# Allegro board MinnowMax_RevA1.brd (continued)
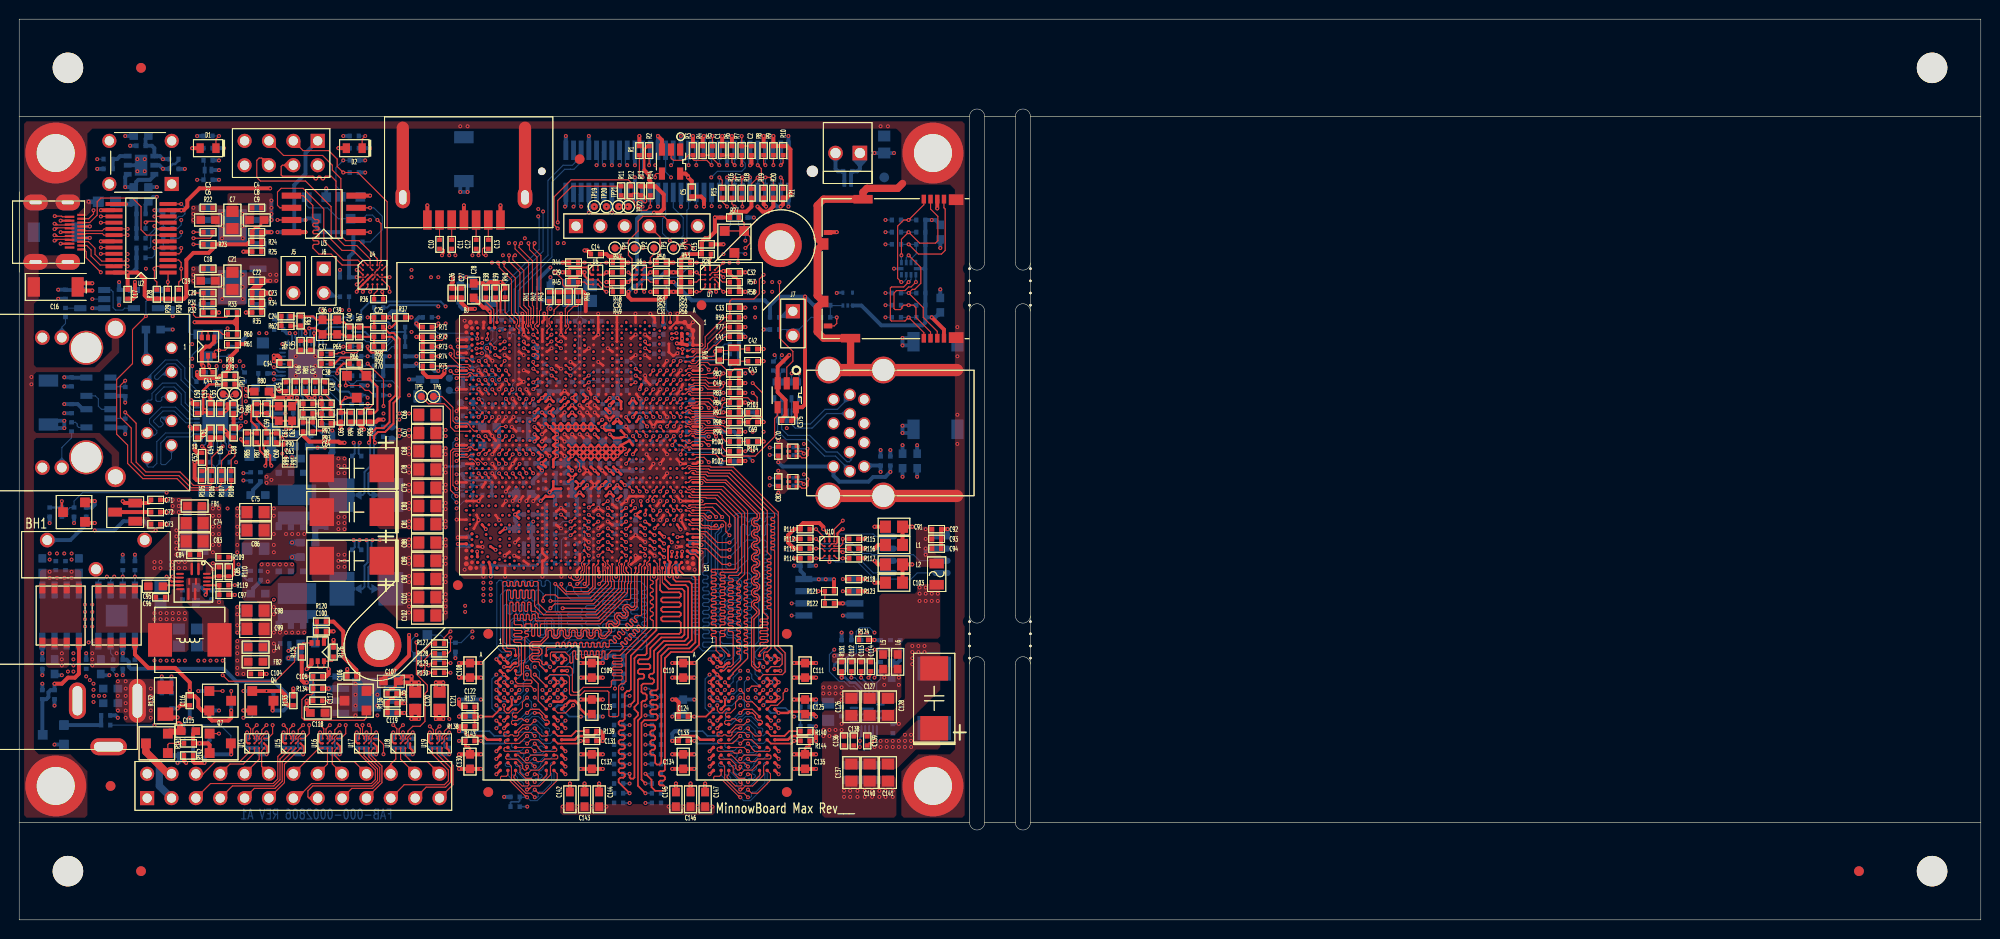
[diagram p0: board, top side]
## Routing (per net, layer and track width the routed paths; a pad name or vN(x,y) marks a point on that pad's centre or on a via; arc(x,y) is an arc through that point) (continued)
SOC_SPI_CS1B: length 4.9
  TOP w0.102: 71.75,52.32 70.55,52.32 70.39,52.17 70.07,52.17 69.8,52.45 CPU1.C21
  TOP w0.114: 71.75,52.32 72.39,52.32 72.77,51.94 v1(73.41,51.94)
  BOTTOM w0.114: R235.2 v1(73.41,51.94)
SOC_SPI_MISO: length 63.5
  TOP w0.102: CPU1.B22 70.5,51.96 70.61,52.07
  TOP w0.114: v1(37.85,65.53) 37.94,65.44 R36.2 ; 70.61,52.07 71.64,52.07 71.66,52.05 71.77,52.05 v1(71.88,51.94)
  INT3(V) w0.102: v1(71.88,51.94) 71.5,52.32 71.5,59.82 71.79,60.11 71.94,60.11 72.24,59.81 72.38,59.81 72.49,59.92 72.49,60.06 72.19,60.36 72.19,60.5 72.3,60.61 72.44,60.61 72.74,60.31 72.88,60.31 72.99,60.42 72.99,60.56 72.69,60.86 72.69,61.01 72.8,61.12 72.94,61.12 73.24,60.81 73.39,60.81 73.5,60.92 73.5,61.07 73.19,61.37 73.19,61.51 73.3,61.62 73.45,61.62 73.75,61.32 73.89,61.32 74,61.43 74,61.57 73.7,61.87 73.7,62.01 73.81,62.12 73.95,62.12 74.25,61.82 74.39,61.82 74.5,61.93 74.5,62.07 74.2,62.37 74.2,62.52 74.31,62.62 74.45,62.62 74.75,62.32 74.9,62.32 75,62.43 75,63.07 75.31,63.37 76.2,63.37 v1(76.71,63.88)
  INT4(H) w0.102: v1(76.71,63.88) 76.2,63.37 69.98,63.37 69.34,64.01 60.2,64.01 59.18,65.02 38.35,65.02 v1(37.85,65.53)
SOC_SPI_MISO-R: length 1.7
  TOP w0.114: U4.E4 37.33,65.65 36.99,65.31 R36.1
SOC_SPI_MOSI: length 6.1
  TOP w0.114: R103.2 75.47,52.45 72.77,52.45 72.64,52.58 70.48,52.58 70.35,52.45 CPU1.A21
SOC_SPI_MOSI-R: length 59.3
  TOP w0.114: v1(76.45,54.99) 76.93,54.52 R103.1 ; U4.E3 36.83,65.79 v1(36.58,65.53)
  INT3(V) w0.102: v1(77.6,65.53) 78.61,64.52 78.61,64.28 78.51,64.18 78.33,64.18 78.23,64.08 78.23,63.93 78.33,63.83 78.51,63.83 78.61,63.72 78.61,63.57 78.51,63.47 78.33,63.47 78.23,63.37 78.23,63.22 78.33,63.11 78.51,63.11 78.61,63.01 78.61,62.86 78.51,62.76 78.33,62.76 78.23,62.66 78.23,62.51 78.33,62.4 78.51,62.4 78.61,62.3 78.61,62.15 78.51,62.05 78.33,62.05 78.23,61.95 78.23,55.75 77.47,54.99 v1(76.45,54.99)
  INT4(H) w0.102: v1(36.58,65.53) 37.08,66.04 38.86,66.04 39.12,65.79 59.44,65.79 60.45,64.77 76.83,64.77 v1(77.6,65.53)
SOC_USB_HOST_EN0: length 30.6
  TOP w0.102: 71.75,56.52 71.67,56.61 70.07,56.61 69.8,56.33 CPU1.C13
  TOP w0.114: v1(72.64,56.64) 72.52,56.52 71.75,56.52 ; R115.2 v1(85.85,39.75) 85.85,39.24 85.59,38.98 U10.B3
  INT3(V) w0.102: v1(85.85,39.75) 84.45,41.15 80.52,41.15 74.17,47.5 74.17,55.88 73.66,56.39 72.9,56.39 v1(72.64,56.64)
SOC_USB_HOST_EN1: length 29.7
  TOP w0.102: CPU1.A13 71.56,56.33 71.75,56.13
  TOP w0.114: R117.2 v1(85.85,37.72) 85.22,37.72 U10.D3 ; 71.75,56.13 71.88,56.01 v1(72.64,56.01)
  INT3(V) w0.102: v1(85.85,37.72) 84.33,39.24 82.93,39.24 81.79,40.39 80.26,40.39 73.03,47.62 73.03,55.63 v1(72.64,56.01)
SOC_USB_HOST_OC0: length 30.1
  TOP w0.102: CPU1.C20 69.44,52.93 69.73,53.22 69.97,53.22 70.15,53.04 71.75,53.04
  TOP w0.114: v1(76.45,53.97) 75.95,54.48 74.17,54.48 74.07,54.39 R84.2 73.53,53.97 73.28,53.72 73.28,53.45 72.88,53.04 71.75,53.04 ; U10.A3 84.95,40.76 v1(85.85,41.66)
  INT3(V) w0.102: v1(76.45,53.97) 77.09,53.34 77.09,45.85 80.77,42.16 85.34,42.16 v1(85.85,41.66)
SOC_USB_HOST_OC1: length 26.8
  TOP w0.114: R97.2 v1(73.41,52.96) 73.26,52.81 69.97,52.81 CPU1.B20 ; v1(85.85,38.35) 85.72,38.49 84.95,38.49
  INT3(V) w0.102: v1(85.85,38.35) 83.95,40.26 82.68,40.26 82.17,40.77 80.39,40.77 73.79,47.37 73.79,52.58 v1(73.41,52.96)
SPI_CLK: length 17.3
  TOP w0.114: U3.6 27.18,74.3 26.92,74.55 26.92,75.95 27.3,76.33 29.59,76.33 31.75,74.17 31.75,70.87 33.78,68.83 35.31,68.83 U4.A1
SPI_CS0: length 17.3
  TOP w0.114: v1(35.18,66.29) 35.31,66.29 U4.D1 ; U3.1 v1(36.58,71.75)
  INT8(V) w0.102: v1(36.58,71.75) 36.96,72.14 36.96,74.42 37.08,74.55 37.59,74.55 37.72,74.42 37.72,66.67 37.34,66.29 v1(35.18,66.29)
  BOTTOM w0.114: v1(36.58,71.75) R163.2
SPI_HOLD: length 2.3
  TOP w0.114: v1(26.92,73.03) U3.7
  BOTTOM w0.114: R165.2 v1(26.92,73.03)
SPI_MISO: length 17.4
  TOP w0.114: v1(35.18,67.82) 35.32,67.82 U4.C1 ; U3.2 v1(36.58,73.03)
  INT8(V) w0.102: v1(36.58,73.03) 36.07,73.03 35.94,73.15 35.94,77.24 35.84,77.34 35.28,77.34 35.18,77.24 v1(35.18,67.82)
SPI_MOSI: length 17.3
  TOP w0.114: U3.5 29.59,75.56 30.61,74.55 30.61,73.28 30.82,73.06 31.13,73.06 31.24,72.95 31.24,72.8 31.13,72.69 30.71,72.69 30.61,72.59 30.61,72.43 30.71,72.32 31.13,72.32 31.24,72.22 31.24,72.06 31.13,71.96 30.71,71.96 30.61,71.85 30.61,71.7 30.71,71.59 31.13,71.59 31.24,71.48 31.24,71.33 31.13,71.22 30.71,71.22 30.61,71.11 30.61,70.96 30.71,70.85 31.13,70.85 31.24,70.74 31.24,70.59 31.13,70.48 30.71,70.48 30.61,70.38 30.61,70.1 31.24,69.47 32.51,69.47 33.66,68.33 35.31,68.33 U4.B1
SPI_PWR_FET_GATE: length 15.9
  TOP w0.089: 37.08,67.56 37.08,67.06 ; 37.59,68.58 37.58,68.57 37.58,68.06
  TOP w0.114: 37.58,68.06 U4.B4 37.08,67.56 ; v1(37.34,73.03) 37.72,72.64 37.72,68.71 37.59,68.58 ; 37.08,67.06 U4.D3
  BOTTOM w0.114: Q8.G 29.97,74.55 30.23,74.3 32.13,74.3 33.27,73.15 D8.3 35.81,73.15 36.2,73.53 36.83,73.53 v1(37.34,73.03)
SPI_WP: length 7.1
  TOP w0.114: U3.3 v1(36.58,74.3)
  BOTTOM w0.114: R164.2 36.58,70.74 37.85,72.01 37.85,73.41 36.96,74.3 v1(36.58,74.3)
SUSCLK_3P3: length 1.7
  TOP w0.114: R55.1 70.61,66.55 70.87,66.81 U7.C1
SUSPWRDNACK: length 8.3
  TOP w0.114: CPU1.D26 v1(68.07,49.53)
  BOTTOM w0.114: TP14.1 74.07,48.23 R254.1 73.53,48.89 73.41,48.77 69.6,48.77 69.34,49.02 68.58,49.02 v1(68.07,49.53)
SVID_ALERT: length 5
  TOP w0.102: CPU1.B24 70,50.99 70,50.98 70.48,50.98 70.61,50.85 71.37,50.85 71.57,51.05 71.75,51.05
  TOP w0.114: 71.75,51.05 72.77,51.05 73.28,50.55 73.28,50.29 73.66,49.91 R100.1
SVID_ALERT-R: length 54.6
  TOP w0.114: v1(36.32,58.04) 37.97,56.39 v1(37.97,53.59) ; R100.2 R104.1 75.98,49.37 v1(76.45,48.89)
  INT4(H) w0.102: v1(37.97,53.59) 38.61,52.96 38.61,52.2 38.99,51.82 38.99,49.53 42.7,45.82 44.73,45.82 45.25,45.3 57.37,45.3 58.17,46.1 74.68,46.1 76.07,47.5 76.07,48.51 v1(76.45,48.89)
  BOTTOM w0.114: R227.1 36.07,57.78 v1(36.32,58.04) 36.58,57.78 R223.1
SVID_CLK-R: length 48.3
  TOP w0.102: CPU1.C25 69.8,50.5 70.07,50.78 70.39,50.78 70.52,50.65 71.48,50.65 71.63,50.8 71.75,50.8
  TOP w0.114: v1(72.64,50.42) 72.26,50.8 71.75,50.8
  INT4(H) w0.102: v1(72.64,50.42) 72.26,50.04 70.87,50.04 69.85,49.02 67.18,49.02 66.21,48.04 54.14,48.04 53.34,47.24 49.88,47.24 49.66,47.47 49.66,48.72 49.45,48.92 45.25,48.92 44.6,49.57 43.78,49.57 41.27,52.07 40.39,52.07 v1(39.62,52.83)
  BOTTOM w0.114: R228.1 R224.1 36.99,56.44 37.19,56.24 38.88,56.24 39.62,55.5 v1(39.62,52.83)
SVID_DATA: length 4.7
  TOP w0.114: R101.1 73.66,48.89 73.28,49.28 73.28,49.53 72.8,50.01 71.69,50.01 71.41,50.29 70.44,50.29 CPU1.A25
SVID_DATA-R: length 50.4
  TOP w0.114: R101.2 v1(75.69,48.89)
  INT3(V) w0.102: v1(36.32,58.8) 36.68,58.8 39.12,56.36 39.12,52.7 v1(39.62,52.2)
  INT4(H) w0.102: v1(39.62,52.2) 40.26,51.56 40.77,51.56 41.15,51.18 41.15,50.55 43.56,48.13 44.85,48.13 45.49,47.5 46.35,47.5 46.99,48.13 48.77,48.13 48.97,47.93 48.97,47.42 49.4,46.99 53.59,46.99 53.85,47.24 66.25,47.24 66.96,47.24 67.06,47.24 67.82,48.01 70.1,48.01 70.99,48.89 v1(75.69,48.89)
  BOTTOM w0.114: R201.1 v1(36.32,58.8) R197.1
SYS_EN: length 12.8
  TOP w0.114: R141.2 v1(16.51,18.41) 15.62,18.41 15.49,18.29 Q6.G
  BOTTOM w0.114: Q12.D 22.06,19.22 20.95,20.32 18.29,20.32 18.13,20.16 R340.1 18.13,19.27 17.91,19.05 17.4,19.05 17.18,18.83 R141.2 v1(16.51,18.41) 16.51,19.05 16.13,19.43 Q13.G
SYS_EN_GATE: length 6.6
  TOP w0.406: Q7.D 22.1,18.38 v1(22.1,17.27) ; v1(19.3,16.38) 18.29,16.38 18.13,16.54 R142.1
  BOTTOM w0.406: v1(19.3,16.38) 19.3,16.89 19.81,17.4 Q12.G 19.98,17.27 v1(22.1,17.27)
SYS_PWR_LEDR: length 2.1
  TOP w0.114: D2.1 35.75,81.47 v1(36.07,81.79)
  BOTTOM w0.114: R146.2 v1(36.07,81.79)
SYS_PWRGD: length 103.6
  TOP w0.114: R61.2 21.75,59.72 21.46,59.44 v1(20.83,59.44) 20.45,59.44 20.34,59.32 Q1.3 ; R59.2 v1(75.69,62.86)
  INT3(V) w0.102: v1(44.45,62.23) 44.45,61.47 45.34,60.58 45.34,58.29 46.35,57.28 46.35,42.93 45.95,42.52 44.17,42.52 42.8,41.15 42.8,36.83 41.02,35.05 41.02,30.1 v1(41.4,29.72)
  INT7(H) w0.102: v1(75.69,62.86) 74.42,64.14 47.12,64.14 45.21,62.23 v1(44.45,62.23) 44.45,62.86 43.94,63.37 39.75,63.37 38.9,62.52 24.8,62.52 24.26,61.98 22.73,61.98 20.83,60.07 v1(20.83,59.44)
  BOTTOM w0.114: D12.1 D12.2 40.89,28.07 40.89,29.21 v1(41.4,29.72)
TP9_NET: length 12.9
  TOP w0.102: v1(47.84,47.59) 47.77,47.59 47.28,48.07 CPU1.BH30
  INT4(H) w0.102: v1(39.62,51.12) 40.01,50.74 40.01,50.55 40.41,50.14 40.92,50.14 43.33,47.73 44.69,47.73 45.17,47.24 47.5,47.24 v1(47.84,47.59)
  BOTTOM w0.114: v1(39.62,51.12) 39.31,51.44 TP13.1 R243.1
TP10_NET: length 14.5
  TOP w0.102: v1(48.6,47.59) 48.35,47.59 47.87,48.07 CPU1.BG30
  INT4(H) w0.102: v1(39.62,50.48) 40.45,49.66 40.77,49.66 41.27,49.15 41.27,48.89 43.94,46.23 44.58,46.23 45.34,46.99 48,46.99 v1(48.6,47.59)
  BOTTOM w0.114: R261.1 38.61,50.42 TP16.1 39.31,50.17 v1(39.62,50.48)
UART1_CTSB: length 3.3
  TOP w0.114: JP1.10 25.02,16.76 U14.C1
UART1_RTSB: length 3.1
  TOP w0.114: JP1.12 25.27,16 25.27,17.65 25.52,17.9 U14.D1
UART1_RXD: length 5
  TOP w0.114: U14.B1 24.52,17.4 23.37,16.26 21.97,16.26 JP1.8
UART1_TXD: length 6.9
  TOP w0.114: U14.A1 24.01,17.54 22.99,16.51 20.45,16.51 19.18,15.24 JP1.6
UART2_RXD: length 6.4
  TOP w0.114: U17.D1 36.7,17.67 36.7,17.14 37.81,16.04 37.81,14.31 JP1.19
UART2_TXD: length 8.6
  TOP w0.114: U17.C1 36.45,17.02 37.58,15.89 37.58,14.45 37.43,14.31 36.84,13.72 34.67,13.72 JP1.17
UGATE1: length 36.7
  INT3(V) w0.406: v1(26.54,56.39) 26.16,56.39
  INT3(V) w0.635: 26.16,56.39 25.53,55.75 25.53,51.56 25.27,51.31 25.27,49.28 24.13,48.13 24.13,38.73 23.62,38.23 23.62,29.97 26.29,27.3 v1(28.07,27.3)
  BOTTOM w0.203: v1(26.54,56.39) 26.55,56.38 U27.22
  BOTTOM w0.635: v1(28.07,27.3) 28.7,27.3 29.34,27.94 R297.1
UGATE1_R: length 3
  BOTTOM w0.406: R296.2 31.95,30.69 U34.1
  BOTTOM w0.635: U34.1 R297.2
UGATEG: length 28
  INT3(V) w0.406: 29.12,60.87 v1(28.78,61.21)
  INT3(V) w0.635: v1(28.45,39.37) 29.84,39.37 30.48,40 30.48,51.69 32.19,53.4 32.19,54.68 31.5,55.37 31.5,59.31 30.35,60.45 29.55,60.45 29.12,60.87
  BOTTOM w0.203: U27.33 28.85,60.69 28.78,60.75 v1(28.78,61.21)
  BOTTOM w0.635: R277.1 v1(28.45,39.37)
UGATEG_R: length 2.8
  BOTTOM w0.406: U31.1 31.95,40.98 R276.2
  BOTTOM w0.635: U31.1 R277.2
USB3_REXT0: length 2.1
  TOP w0.114: CPU1.M12 v1(64.25,57.5)
  BOTTOM w0.102: v1(64.25,57.5) 64.26,57.52 64.26,57.91 63.88,58.29 R212.1
USB3_RX0N_C: length 9.7
  BOTTOM w0.127: USB1.5 86.58,54.58 85.27,53.26 84,53.26 82.47,51.74 81.08,51.74 81.01,51.81 U29.6 U29.5 81.01,53.83 81.3,54.12 CHOKE1.2
USB3_RX0P_C: length 9.6
  BOTTOM w0.127: USB1.6 86.55,52.83 84.18,52.83 82.65,51.31 80.9,51.31 80.51,51.7 U29.7 U29.4 80.51,54.36 CHOKE1.1
USB3_RXN0: length 16
  TOP w0.127: CPU1.E3 v1(68.52,61.21)
  INT7(H) w0.114: v1(68.52,61.21) 68.66,61.35 69.4,61.35 69.78,60.96 71.89,60.96 75.07,57.78 80.52,57.78 v1(81.28,57.02)
  BOTTOM w0.127: CHOKE1.3 81.3,57 v1(81.28,57.02)
USB3_RXP0: length 16
  TOP w0.127: CPU1.D4 v1(68.04,60.65)
  INT7(H) w0.114: v1(68.04,60.65) 68.19,60.5 68.63,60.5 68.71,60.58 68.71,60.73 68.96,60.98 69.24,60.98 69.63,60.59 71.74,60.59 74.92,57.42 80.25,57.42 80.52,57.15 v1(80.52,57.02)
  BOTTOM w0.127: CHOKE1.4 80.5,57 v1(80.52,57.02)
USB3_TX0N-R: length 1.4
  BOTTOM w0.127: C191.2 79.34,57.02 79.34,56.3 CHOKE2.1
USB3_TX0N_C: length 12.8
  BOTTOM w0.127: CHOKE2.4 79.51,54.36 U29.2 U29.9 79.48,52.11 79.48,51.21 80.14,50.55 82.4,50.55 84.13,48.82 85.27,48.82 86.28,47.8 86.54,47.8 86.74,48.01 86.74,48.64 USB1.8
USB3_TX0P-R: length 1.4
  BOTTOM w0.127: CHOKE2.2 78.91,56.3 78.91,57.02 C192.2
USB3_TX0P_C: length 12.8
  BOTTOM w0.127: USB1.9 86.58,46.9 85.09,48.39 83.95,48.39 82.22,50.11 79.96,50.11 79.04,51.03 79.04,52.11 U29.10 U29.1 79.01,53.83 78.72,54.12 CHOKE2.3
USB3_TXN0: length 18.6
  TOP w0.127: v1(65.24,59.64) CPU1.K7
  INT7(H) w0.114: v1(79.5,58.93) 79.11,58.54 78.49,58.54 78.23,58.8 75.18,58.8 72.35,61.64 69.81,61.64 69.58,61.86 67.96,61.86 67.04,60.95 67.04,60.17 66.51,59.64 v1(65.24,59.64)
  BOTTOM w0.127: C191.1 79.34,58.55 79.34,58.76 v1(79.5,58.93)
USB3_TXP0: length 18.5
  TOP w0.127: CPU1.K6 65.7,59.96 65.54,59.96 65.35,60.09 65.24,60.2 v1(65.24,60.35)
  INT7(H) w0.114: v1(65.24,60.35) 65.24,60.12 65.36,60.01 65.58,60.01 65.66,60.08 65.66,60.2 65.79,60.33 65.91,60.33 66.04,60.2 66.04,60.07 66.11,60.01 66.36,60.01 66.67,60.33 66.67,61.1 67.81,62.23 69.74,62.23 69.96,62.01 72.5,62.01 75.32,59.18 78.49,59.18 v1(78.74,58.93)
  BOTTOM w0.127: v1(78.74,58.93) 78.91,58.76 78.91,58.55 C192.1
USB_DN0: length 20.9
  TOP w0.127: CPU1.K16 v1(66.11,55.36)
  INT7(H) w0.114: v1(78.23,45.34) 78.61,45.72 78.61,45.93 78.62,45.94 78.62,46.26 78.61,46.27 78.61,46.62 77.46,47.78 77.46,49.05 76.72,49.78 75.95,49.78 74.17,51.56 74.17,53.35 73.5,54.03 72.29,54.03 72.17,54.14 70.33,54.14 69.48,54.99 66.48,54.99 v1(66.11,55.36)
  BOTTOM w0.127: CHOKE4.2 78.25,45.32 v1(78.23,45.34)
USB_DN1: length 18.7
  TOP w0.127: v1(67.53,56.35) 67.35,56.1 CPU1.G14
  INT7(H) w0.114: v1(78.23,48.51) 78.62,48.9 78.62,50.32 78.29,50.65 78.29,52.38 77.84,52.83 76.09,52.83 74.92,54 74.92,54.64 73.87,55.68 72.21,55.68 71.64,56.25 70.1,56.25 69.85,56 67.88,56 v1(67.53,56.35)
  BOTTOM w0.127: CHOKE3.2 78.25,48.5 v1(78.23,48.51)
USB_DP0: length 20.8
  TOP w0.127: CPU1.M16 v1(65.39,55.36)
  INT7(H) w0.114: v1(65.39,55.36) 65.28,55.24 65.28,54.86 65.41,54.74 65.66,54.74 65.81,54.88 66.15,54.88 66.29,54.74 69.22,54.74 70.18,53.77 73.23,53.77 73.8,53.2 73.8,51.41 75.79,49.42 76.57,49.42 77.09,48.89 77.09,47.62 78.24,46.47 78.24,46.11 v1(78.23,46.1)
  BOTTOM w0.127: CHOKE4.1 79.12,46.1 v1(78.23,46.1)
USB_DP1: length 18.6
  TOP w0.127: v1(66.82,56.35) 66.61,56.06 CPU1.J14
  INT7(H) w0.114: v1(66.82,56.35) 66.67,56.21 66.67,55.82 66.79,55.71 67.06,55.71 67.25,55.9 67.54,55.9 67.73,55.71 70.11,55.71 70.28,55.88 71.49,55.88 72.05,55.31 73.72,55.31 74.55,54.48 74.55,53.85 75.93,52.46 77.69,52.46 77.92,52.23 77.92,50.5 78.25,50.17 78.25,49.3 v1(78.23,49.28)
  BOTTOM w0.127: v1(78.23,49.28) 78.25,49.29 CHOKE3.1
USB_H0: length 12.5
  TOP w0.127: v1(82.17,45.97) 82.22,45.92 82.22,45.29 81.97,45.03 81.58,45.03 81.4,45.22 U9.1
  INT8(V) w0.114: USB1.3 87.5,51.22 87.5,50.71 86.82,50.03 86.27,50.03 84.72,48.48 83.91,48.48 82.8,47.37 82.8,46.49 82.28,45.97 v1(82.17,45.97)
  BOTTOM w0.127: CHOKE4.4 81.03,45.97 v1(82.17,45.97)
USB_H1: length 7.7
  TOP w0.127: v1(82.17,49.15) 82.22,49.1 82.22,48.46 81.97,48.21 81.58,48.21 81.4,48.4 U8.1
  INT8(V) w0.114: USB1.12 84.12,51.04 83.55,51.04 82.82,50.3 82.82,49.43 82.52,49.14 82.18,49.14 v1(82.17,49.15)
  BOTTOM w0.127: CHOKE3.4 81.03,49.15 v1(82.17,49.15)
USB_HOST_BUFF_ENB: length 2.2
  TOP w0.089: 85.09,38.73 84.84,38.73
  TOP w0.114: 84.45,38.49 84.46,38.49 84.71,38.73 84.84,38.73 ; R116.1 85.09,38.73
USB_HOST_DN: length 26.3
  TOP w0.127: CPU1.J12 v1(66.82,57.34)
  INT3(V) w0.114: v1(60.98,78.74) 60.76,78.52 60.76,78.19 64.5,74.45 64.5,71.91 66.64,69.77 66.64,57.51 v1(66.82,57.34)
  BOTTOM w0.127: J10.12 60.79,80.12 60.79,78.93 v1(60.98,78.74)
USB_HOST_DP: length 26.3
  TOP w0.127: CPU1.K12 v1(66.11,57.34)
  INT3(V) w0.114: v1(66.11,57.34) 66.28,57.51 66.28,69.61 64.14,71.75 64.14,74.3 60.4,78.03 60.4,78.52 v1(60.18,78.74)
  BOTTOM w0.127: J10.10 60.36,80.12 60.36,78.92 v1(60.18,78.74)
USB_HOST_EN0: length 15.9
  TOP w0.114: R112.1 v1(83.06,39.75) 83.82,38.98 U10.B1
  BOTTOM w0.114: U32.3 93.85,37.47 93.22,38.1 88.9,38.1 88.77,38.23 87.88,38.23 86.87,39.24 83.57,39.24 v1(83.06,39.75)
USB_HOST_EN1: length 15.9
  TOP w0.114: R114.1 v1(83.06,37.72) 83.69,37.72 U10.D1
  BOTTOM w0.114: v1(83.06,37.72) 84.71,37.72 85.09,37.34 87.38,37.34 89.15,35.56 92.96,35.56 93.6,36.2 U32.4
USB_HOST_OC0: length 10.1
  TOP w0.114: R111.1 v1(83.06,40.77) 83.96,39.87 U10.A1
  BOTTOM w0.114: v1(83.06,40.77) 83.57,40.26 89.03,40.26 89.28,40 90.55,40
USB_HOST_OC1: length 10.2
  TOP w0.114: R113.1 v1(83.06,38.73) 83.71,38.73 83.96,38.49
  BOTTOM w0.114: U32.5 89.03,36.2 86.49,38.73 v1(83.06,38.73)
USB_HSIC0_RCOMP: length 5.1
  TOP w0.102: 71.75,60.07 71.75,59.69 71.42,59.36 70.32,59.36 CPU1.A7
  TOP w0.114: 71.75,60.07 73.53,61.85 R77.2
USB_L0: length 10.6
  TOP w0.127: U9.2 81.56,45.72 81.79,45.49 v1(81.79,45.47)
  INT8(V) w0.114: USB1.2 87.84,50.04 87.35,50.04 86.97,49.66 86.42,49.66 84.87,48.11 84.06,48.11 83.17,47.22 83.17,46.34 82.3,45.47 v1(81.79,45.47)
  BOTTOM w0.127: v1(81.79,45.47) 81.03,45.47 CHOKE4.3
USB_L1: length 6.8
  TOP w0.127: v1(81.79,48.64) 81.79,48.67 81.56,48.89 U8.2
  INT8(V) w0.114: USB1.11 84.88,50.19 84.4,50.67 83.71,50.67 83.19,50.15 83.19,49.28 82.68,48.77 82.34,48.77 82.33,48.76 81.91,48.76 v1(81.79,48.64)
  BOTTOM w0.127: v1(81.79,48.64) 81.03,48.64 CHOKE3.3
USB_PLL_MON: length 14.7
  TOP w0.114: CPU1.M13 v1(64.25,56.79) ; v1(65.79,68.58) 65.79,69.09 66.17,69.47 TP3.1
  INT3(V) w0.102: v1(65.79,68.58) 64.77,67.56 64.77,57.31 v1(64.25,56.79)
USB_RCOMP: length 6.5
  TOP w0.114: CPU1.C7 v1(69.14,59.56) CPU1.D6
  BOTTOM w0.114: R185.2 73.53,61.09 72,59.56 v1(69.14,59.56)
USBP1: length 2.7
  TOP w0.406: 90.3,39.12 89.53,39.12 v1(89.15,38.73)
  BOTTOM w0.406: U32.7 v1(89.15,38.73)
USBP2: length 2.7
  TOP w0.406: 90.3,37.08 89.53,37.08 v1(89.15,37.47)
  BOTTOM w0.406: U32.6 v1(89.15,37.47)
VCNTL_V1P0S: length 2.6
  TOP w0.114: C117.1 v1(32.26,22.86)
  BOTTOM w0.114: U38.6 v1(32.26,22.86) C117.1
VCORE_COMP: length 6.3
  BOTTOM w0.203: C226.1 33.24,52.87 33.05,52.67 C227.2 32.61,52.7 C228.2 32.61,54.23 31.65,55.19 U27.11 ; C226.1 33.66,51.85 R246.2 ; C226.1 R245.1
VCORE_FB: length 6.4
  TOP w0.203: v1(31.43,54.48) 31.53,54.39 R92.2 ; R92.2 R90.1 ; R92.2 31.53,53.43 31.62,53.34 32.38,53.34 32.48,53.25 R93.1
  BOTTOM w0.203: R247.1 31.66,52.7 C228.1 31.66,54.26 v1(31.43,54.48) 31.25,54.67 U27.12
VCORE_GFX_PG: length 38.9
  TOP w0.203: R94.1 C65.2 33.53,53.97 v1(34.04,54.48) D4.3
  INT3(V) w0.203: v1(34.04,54.48) 38.35,50.17 38.35,38.23 30.99,30.86 30.99,26.42 v1(29.97,25.4)
  BOTTOM w0.203: R306.1 v1(29.97,25.4)
VCORE_PG: length 10.1
  TOP w0.203: R96.1 37.08,52.93 37.34,53.18 37.34,55.63 D4.1 35.4,57.56 R66.1 35.4,58.31 35.05,58.66 33.52,58.66 32.89,58.04 C38.2
VCORE_PG_R: length 2.9
  TOP w0.203: v1(33.15,57.02) 33.15,57.4 33.78,58.04 R66.2
  BOTTOM w0.203: U27.7 32.98,57.19 v1(33.15,57.02)
VCORE_RTN: length 4.7
  TOP w0.203: R81.2 29.84,54.74 30.1,54.48 v1(30.23,54.48) v1(30.8,54.48) 30.8,54.67 30.86,54.74 C47.2
  BOTTOM w0.203: U27.16 29.65,54.94 30.1,54.48 v1(30.23,54.48) v1(30.8,54.48) 30.8,54.01 R248.2
VCORE_RTNG: length 8
  TOP w0.203: v1(30.73,61.21) 30.73,60.8 C35.2 R64.2
  BOTTOM w0.203: U27.38 30.84,61.1 v1(30.73,61.21) 30.73,61.72 31.24,62.23 33.15,62.23 33.78,62.86 R199.2
VR_HOT_L: length 43.9
  TOP w0.114: CPU1.C24 v1(68.95,50.48)
  INT4(H) w0.102: v1(68.95,50.48) 68.9,50.48 68.33,49.91 66.55,49.91 66.17,49.53 58.29,49.53 58.04,49.28 58.04,49.02 57.78,48.77 54.36,48.77 53.59,48.01 50.67,48.01 50.39,48.29 50.39,48.92 50.13,49.19 45.41,49.19 45.21,49.39 45.21,49.66 44.89,49.97 44.26,49.97 38.99,55.25 33.91,55.25 v1(33.4,55.75)
  BOTTOM w0.102: R255.1 69.22,49.91 68.96,50.17 68.96,50.47 v1(68.95,50.48)
  BOTTOM w0.114: U27.8 32.75,56.79 33.4,56.13 v1(33.4,55.75)
VR_ON: length 7.2
  BOTTOM w0.114: R226.1 R225.2 36.48,56.26 35.2,56.26 34.7,55.77 C203.2 34.04,56.42 34.04,56.77 33.22,57.59 U27.6
VSUMN: length 32.8
  TOP w0.203: v1(27.43,50.17) 27.43,50.29 26.96,50.77 C60.2 R88.1 25.78,51.18 24.77,52.2 R86.1 C59.1 25.87,52.87 26.34,52.4 26.72,52.4 C61.1 C62.1 28.45,51.38 28.24,51.18 v1(27.81,51.18)
  INT7(H) w0.203: v1(27.43,50.17) 25.25,50.17 25.04,49.96 25.04,45.69 25.78,44.96 26.92,44.96 32.61,39.27 34.66,39.27 34.86,39.47 v1(34.86,39.62)
  BOTTOM w0.203: v1(34.86,39.62) 34.98,39.51 34.98,38.88 R285.1 ; v1(27.81,51.18) 27.81,51.48 28.15,51.82 C229.2 28.57,51.85 R250.2
VSUMN_R: length 22.9
  TOP w0.203: v1(26.29,47.37) 26.16,47.5 26.16,48.45 25.49,49.13 25.49,49.52 R88.2
  INT7(H) w0.203: v1(26.29,47.37) 26.29,47.12 33.15,40.26 34.16,40.26 34.54,40.64 35.88,40.64 36.83,39.69 v1(36.83,39.62)
  BOTTOM w0.203: SP3.1 36.6,34.54 36.4,34.75 36.4,36.79 36.73,37.12 36.73,39.52 v1(36.83,39.62)
VSUMNG: length 26.5
  TOP w0.203: v1(36.32,62.86) C25.2 R68.1 35.47,61.85 R67.1 C40.1 33.88,62.36 33.4,62.36 C39.1 C36.1 30.99,62.61 30.64,62.96 R63.2 29.3,62.99 C24.2
  INT8(V) w0.203: v1(36.32,62.86) 36.32,61.32 36.12,61.11 35.46,61.11 34.98,60.63 34.98,49.9 v1(34.86,49.78)
  BOTTOM w0.203: v1(34.86,49.78) 34.98,49.67 34.98,48.66 R262.1
VSUMNG_R: length 20.9
  TOP w0.203: R68.2 38.55,61.24 39.03,61.24 39.65,60.62 39.65,54.57 39.01,53.93 39.01,51.77 38.14,50.9 37.38,50.9 36.98,50.5 36.98,49.86 37.06,49.78 v1(37.08,49.78)
  BOTTOM w0.203: v1(37.08,49.78) 36.98,49.68 36.98,47.15 36.4,46.57 36.4,44.53 36.6,44.32 SP1.1
VSUMP: length 10.6
  TOP w0.203: v1(28.96,54.48) 28.96,54.1 C62.2 C61.2 26.16,53.59 25.94,53.81 C59.2 R86.2 24.38,53.81 24.18,53.61 24.18,52.02 24.77,51.44 R87.1 R85.2
  BOTTOM w0.203: U27.18 28.85,54.59 v1(28.96,54.48)
VSUMP_R: length 22.9
  TOP w0.203: v1(25.65,47.37) 25.76,47.47 25.76,48.29 25.08,48.96 25.08,49.5 R87.2
  INT7(H) w0.203: v1(36.2,39.62) 36.2,39.75 35.71,40.23 34.71,40.23 34.33,39.85 32.98,39.85 25.88,46.95 25.88,47.14 v1(25.65,47.37)
  BOTTOM w0.203: SP4.1 35.79,34.54 35.99,34.75 35.99,36.96 36.32,37.29 36.32,39.5 v1(36.2,39.62)
VSUMPG: length 9.8
  TOP w0.203: R70.2 R69.1 35.47,60.83 R67.2 C40.2 34,60.87 33.78,61.09 C39.2 C36.2 31.22,61.49 31.07,61.49 30.84,61.72 v1(30.23,61.72)
  BOTTOM w0.203: U27.37 30.44,60.82 30.33,60.94 30.33,61.62 v1(30.23,61.72)
VSUMPG_R: length 20
  TOP w0.203: R69.2 38.86,60.83 39.24,60.45 39.24,54.74 38.61,54.1 38.61,51.94 37.97,51.31 37.21,51.31 36.58,50.67 36.58,49.91 v1(36.45,49.78)
  BOTTOM w0.203: SP2.1 35.79,44.32 35.99,44.53 35.99,46.74 36.58,47.32 36.58,49.66 v1(36.45,49.78)
VWG: length 3.8
  BOTTOM w0.114: R198.2 C189.2 34.51,59.85 34.16,60.2 33.27,60.2 32.66,59.59 U27.1
XDP_H_OBSDATA_A0: length 35.6
  TOP w0.114: CPU1.N24 v1(64.68,50.48)
  INT8(V) w0.102: v1(64.68,50.48) 63.63,51.54 63.63,59.18 64.59,60.15 64.59,63.07 65.66,64.14 65.91,64.14 66.67,64.9 66.67,71.5 67.06,71.88 67.06,73.15 67.44,73.53 67.44,76.33 67.18,76.58 67.18,78.74 67.56,79.12 69.4,79.12 v1(69.78,78.74)
  BOTTOM w0.114: J10.34 v1(69.78,78.74)
XDP_H_OBSDATA_A1: length 26.5
  TOP w0.114: CPU1.M20 v1(65.39,52.46)
  INT8(V) w0.102: v1(69.47,70.87) 68.96,70.36 68.96,61.09 67.88,60.01 67.88,54.17 67.56,53.85 66.42,53.85 65.39,52.82 v1(65.39,52.46)
  BOTTOM w0.114: J10.33 69.78,74.23 69.6,74.04 69.6,70.99 v1(69.47,70.87)
XDP_H_OBSDATA_A2: length 23.7
  TOP w0.114: CPU1.J18 v1(66.82,54.37)
  INT8(V) w0.102: v1(66.82,54.37) 67.17,54.73 67.17,60.57 68.26,61.66 68.26,63.56 68.58,63.88 68.58,70.61 69.85,71.88 69.85,73.69 v1(70.58,74.42)
  BOTTOM w0.114: J10.35 v1(70.58,74.42)
XDP_H_OBSDATA_A3: length 29.3
  TOP w0.114: CPU1.M18 v1(65.39,54.37)
  INT8(V) w0.102: v1(65.39,54.37) 65.76,54.74 65.76,57.66 66.17,58.06 66.17,60.96 66.42,61.21 66.42,63.12 67.44,64.14 67.44,71.12 67.56,71.25 68.71,71.25 69.6,72.14 69.6,74.42 70.58,75.41 v1(70.58,78.74)
  BOTTOM w0.114: J10.36 v1(70.58,78.74)
XDP_H_PRDYB: length 23.5
  TOP w0.114: v1(68.95,54.37) CPU1.D18
  INT8(V) w0.102: v1(68.95,54.37) 69.85,55.27 69.85,68.71 71.63,70.48 71.63,73.91 v1(72.18,74.47)
  BOTTOM w0.114: J10.39 v1(72.18,74.47)
XDP_H_PREQB: length 25.8
  TOP w0.114: CPU1.F16 v1(68.24,55.36) ; v1(66.29,77.47) 66.29,77.76 66.41,77.87 U1.4
  INT3(V) w0.102: v1(66.29,77.47) 67.18,76.58 67.18,63.65 67.45,63.39 67.45,62.37 67.17,62.09 67.17,55.21 67.38,55.01 67.88,55.01 v1(68.24,55.36)
XDP_H_PREQB_PB: length 7.7
  TOP w0.114: U1.2 67.94,79.5 68.2,79.25 69.22,79.25 69.76,79.79 R3.1 70.23,79.38 70.36,79.25 71.67,79.25 v1(72.18,78.74)
  BOTTOM w0.114: J10.40 v1(72.18,78.74)
XDP_H_TCK: length 33.1
  TOP w0.114: v1(77.78,78.74) 77.6,78.92 R8.2 ; CPU1.D14 v1(68.95,56.35)
  INT3(V) w0.102: v1(68.95,56.35) 69.72,57.12 69.72,61.34 71.25,62.86 71.25,65.79 71.88,66.42 71.88,70.36 74.17,72.64 74.17,75.44 74.93,76.2 77.47,76.2 79.01,77.74 79.01,78.98 78.87,79.12 78.16,79.12 v1(77.78,78.74)
  BOTTOM w0.114: v1(77.78,78.74) J10.54
XDP_H_TDI: length 33.6
  TOP w0.114: v1(79.38,78.74) 79.63,78.99 R10.2 ; CPU1.F12 68.02,57.04 v1(68.24,57.34)
  INT3(V) w0.102: v1(68.24,57.34) 68.59,57.7 68.59,58.53 68.2,58.93 68.2,60.29 69.22,61.31 69.22,65.41 71.12,67.31 71.12,70.87 71.75,71.5 71.75,74.93 73.53,76.71 76.71,76.71 77.11,77.11 77.12,77.11 77.41,77.4 77.41,79.06 77.69,79.34 79.16,79.34 79.38,79.12 v1(79.38,78.74)
  BOTTOM w0.114: J10.58 v1(79.38,78.74)
XDP_H_TDO: length 32.3
  TOP w0.114: R21.2 79.63,77.22 v1(79.38,77.46) ; CPU1.G16 v1(67.53,55.36)
  INT3(V) w0.102: v1(79.38,77.46) 77.86,75.95 75.82,75.95 74.93,75.06 74.93,72.9 72.26,70.23 72.26,66.27 71.63,65.64 71.63,62.74 69.98,61.09 69.98,56.77 69.09,55.88 68.05,55.88 v1(67.53,55.36)
  BOTTOM w0.114: J10.57 v1(79.38,77.46)
XDP_H_TMS: length 31.6
  TOP w0.114: CPU1.F14 v1(68.24,56.35) ; R9.2 v1(78.61,78.74)
  INT3(V) w0.102: v1(68.24,56.35) 68.78,56.9 69.09,56.9 69.49,57.29 69.49,65.04 71.5,67.06 71.5,70.61 73.41,72.52 73.41,75.18 74.68,76.45 77.25,76.45 78.61,77.82 v1(78.61,78.74)